# KiCad board eeg_hardware_v1.kicad_pcb (continued)
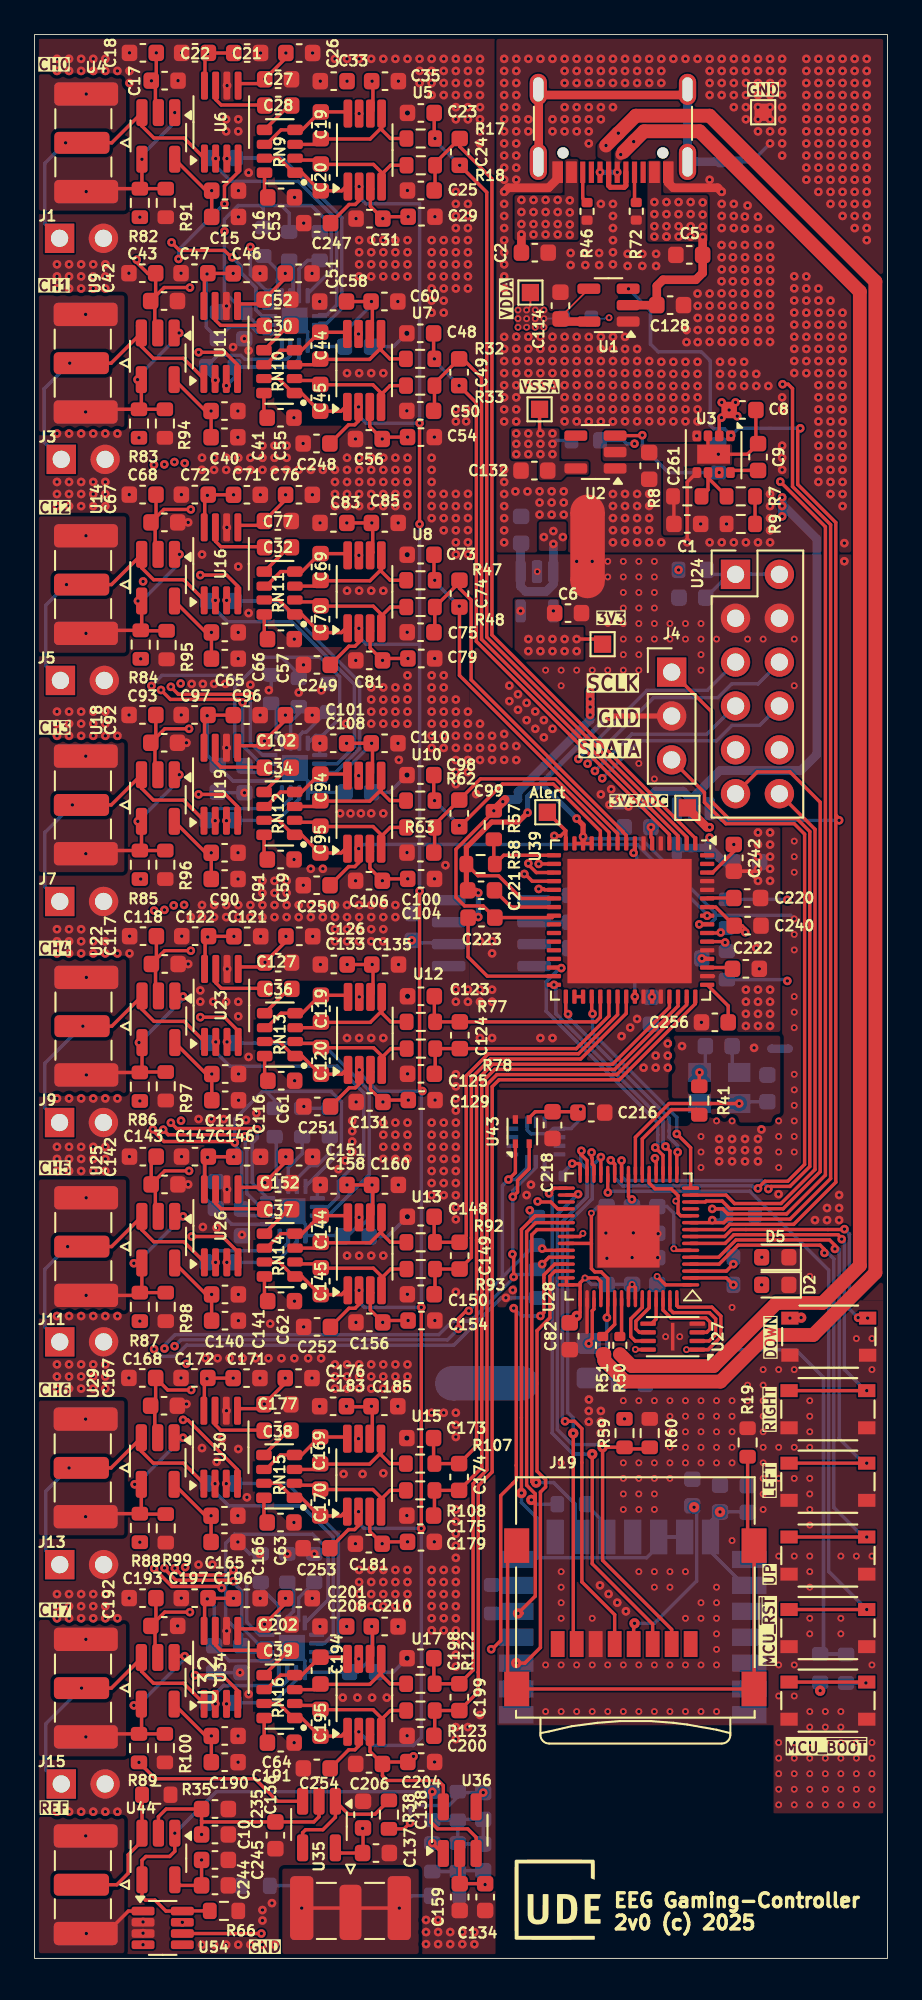
[diagram p0: board, top side]
## Placement (name value [footprint] x y rotation side) (continued)
U32  LTC2054HV  [SOT-23-5_HandSoldering]  7.14 16.08 270 top
U34  AD8422ARMZ  [MSOP-8_3x3mm_P0.65mm]  10.8 16.85 90 top
U35  LTC2054HV  [SOT-23-5_HandSoldering]  16.47 7.75 270 top
U36  LTC2054HV  [SOT-23-5_HandSoldering]  24.62 7.43 90 top
U37  BMI270  [XDCR_BMI270]  29.04 47.3 0 bottom
U38  AD5142A-100k  [LFCSP-16-1EP_3x3mm_P0.5mm_EP1.5x1.5mm]  15.07 94.84 180 bottom
U39  AD7779ACPZ  [LFCSP-64-1EP_9x9mm_P0.5mm_EP5.21x5.21mm_ThermalVias]  34.52 60.12 270 top
U40  AD5142A-100k  [LFCSP-16-1EP_3x3mm_P0.5mm_EP1.5x1.5mm]  14.9 17.99 180 bottom
U41  AD5142A-100k  [LFCSP-16-1EP_3x3mm_P0.5mm_EP1.5x1.5mm]  14.94 43.26 180 bottom
U42  AD5142A-100k  [LFCSP-16-1EP_3x3mm_P0.5mm_EP1.5x1.5mm]  15.08 68.93 180 bottom
U43  SHT41  [Sensirion_DFN-4_1.5x1.5mm_P0.8mm_SHT4x_NoCentralPad]  28.25 47.88 90 top
U44  OPA145_SOT  [SOT-23-5_HandSoldering]  7.17 5.9 270 top
U45  ADR4525  [SOIC-8_3.9x4.9mm_P1.27mm]  26.46 59.37 0 bottom
U54  TS12A12511  [SOT-23-8]  7.42 1.77 0 top
Y1  KX7_QRZ  [KX-7]  39.71 50.45 180 bottom

## Library data of the parts
C1-C12 C14-C28 C30-C32 C34-C53 C55-C57 C59-C77 C81 C85 C89-C102 C106 C110 C111 C114-C128 C131 C132 C134-C153 C155 C156 C159 C160 C165-C177 C181 C185 C190-C202 C206 C210 C215 C216 C218 C220-C254 C256 C261 = -: Description: Unpolarized capacitor
C29 C33 C54 C58 C79 C83 C104 C108 C129 C133 C154 C158 C179 C183 C204 C208 = -: Description: Unpolarized capacitor; Sim.Device: C; Sim.Pins: 1=+ 2=-
C82 C86 = -: Description: Unpolarized capacitor; ecnumber: GPC0805106-16
C84 C87 C88 C103 C105 C107 = -: Description: Unpolarized capacitor; ecnumber: GPC0402104
D2 D5 = -: Description: Light emitting diode; ki_fp_filters: LED* LED_SMD:* LED_THT:*
J4 = -: Datasheet: https://www.raspberrypi.com/documentation/microcontrollers/debug-probe.html; Description: Raspberry Pi Debug Probe SWD Connector; ki_fp_filters: JST_SH_BM03B-SRSS-TB_1x03-1MP_P1.00mm_Vertical PinHeader_1x03_P2.54mm_Vertical
J6 = -: Datasheet: https://www.usb.org/sites/default/files/documents/usb_type-c.zip; Description: USB Full-Featured Type-C Receptacle connector; ki_fp_filters: USB*C*Receptacle*
J19 = -: Datasheet: http://katalog.we-online.de/em/datasheet/693072010801.pdf; Description: Micro SD Card Socket; ki_fp_filters: microSD*
L1 = -: Datasheet: https://www.mouser.de/ProductDetail/Wurth-Elektronik/74437336068?qs=sGAEpiMZZMukHu%252BjC5l7YZFx5PKdGpFON7hqw0dDD24%3D; Description: Inductor; ki_fp_filters: L_WE*
NT1-NT3 = -: Description: Net tie, 2 pins; ki_fp_filters: Net*Tie*
R1-R16 R19 R21-R31 R34 R35 R38 R41-R43 R53-R61 R65-R67 R69 R71 R74 R80 R82-R89 R91 R94-R100 = -: Description: Resistor
R17 R18 R32 R33 R47 R48 R62 R63 R77 R78 R92 R93 R107 R108 R122 R123 = -: Description: Resistor; Sim.Device: R; Sim.Pins: 1=+ 2=-
R36 R37 R46 R49 R52 R72 = -: Description: Resistor; ki_fp_filters: R_*
R39 = -: Description: Resistor; ecnumber: GPR040222K; ki_fp_filters: R_*
R40 = -: Description: Resistor; ecnumber: GPR040210K; ki_fp_filters: R_*
R50 R51 = -: Description: Resistor; ecnumber: GPR0402100R; ki_fp_filters: R_*
RN9-RN16 = -: Datasheet: https://www.mouser.de/datasheet/2/447/PYu_YC_TC_group_51_RoHS_L_9-3003033.pdf; Description: 4 resistor network, isolated, YC164; Sim.Device: R; Sim.Pins: 1=+ 2=-; Sim.Params: r=22k
S2 = -: Datasheet: https://configured-product-images.s3.amazonaws.com/2D/specs/TL3365AF180QG.pdf; Description: 612-TL3365AF180QG; ecnumber: TL3365AF180QG
S3-S6 S8 = -: Datasheet: https://configured-product-images.s3.amazonaws.com/2D/specs/TL3365AF180QG.pdf; Description: 612-TL3365AF180QG
TP1-TP5 TP8 = -: Description: test point; ki_fp_filters: Pin* Test*
U1 U31 = -: Datasheet: https://www.analog.com/media/en/technical-documentation/data-sheets/adp7142.pdf; Description: 40 V, 200 mA, Low Noise, CMOS LDO Linear Regulator
U2 = -: Datasheet: https://www.analog.com/media/en/technical-documentation/data-sheets/adp7182.pdf; Description: –28 V, −200 mA, Low Noise, Linear Regulator
U3 = -: Datasheet: http://www.ti.com/lit/ds/symlink/tps82150.pdf; Description: 17V Input 1A Step-Down Converter MicroSiP Module with Integrated Inductor, μSiL-8; ki_fp_filters: Texas*MicroSiP*1EP*2.8x3mm*P0.65mm*
U4 U9 U14 U18 U22 U25 U29 U32 = -: Datasheet: https://www.analog.com/media/en/technical-documentation/data-sheets/20545fc.pdf; Description: Single/Dual Micropower Zero-Drift Operational Amplifiers; Sim.Library: /Users/nickskill/Library/CloudStorage/OneDrive-Persönlich/Uni/Master/WS24_25/EEG_Praxisprojekt_WS24_25/eeg_controller_hw/0_Hardware/PSpice_Modelle/OPA145/OPAx145.LIB; Sim.Name: OPAx145; Sim.Device: SUBCKT; Sim.Pins: 1=OUT 2=VEE 3=IN+ 4=IN- 5=VCC
U5 U7 U8 U10 U12 U13 U15 U17 = -: Datasheet: https://www.ti.com/lit/ds/symlink/opa1637.pdf?ts=1730469635189&ref_url=https%253A%252F%252Fwww.ti.com%252Fproduct%252Fde-de%252FOPA1637; Description: OPA1637 High-Fidelity, Low-Noise, Fully-Differential, Burr-Brown™ Audio Operational Amplifier; ki_fp_filters: VSSOP*3x3mm*P0.65mm*
U6 U11 U16 U19 U23 U26 U30 U34 = -: Datasheet: https://www.analog.com/media/en/technical-documentation/data-sheets/AD8422.pdf; Description: Single High Performance, Low Power, Rail-to-Rail Precision Instrumentation Amplifier, SOIC-8/MSOP-8; ki_fp_filters: SOIC*3.9x4.9mm*P1.27mm* MSOP*3x3mm*P0.65mm*
U20 = -: Datasheet: https://www.analog.com/media/en/technical-documentation/data-sheets/ADP7142.pdf; Description: 200mA, Low Noise, CMOS Low Dropout Regulator, Positive, 3.3V Fixed Output, TSOT-23-5; ki_fp_filters: TSOT?23*
U21 = -: Datasheet: https://pip-assets.raspberrypi.com/categories/1216-raspberry-pi-radio-module-2/documents/RP-008943-DS-4-Radio%20Module%202%20Datasheet.pdf?disposition=inline; Description: Raspberry Pi Radio Module 2; ki_fp_filters: Connector*:*_1x??_*
U24 = -: ki_fp_filters: Connector_PinHeader_2.54mm:PinHeader_2x06_P2.54mm_*
U27 = -: Datasheet: https://www.mouser.de/ProductDetail/Winbond/W25Q16JVUXIQ-TR?qs=qSfuJ%252Bfl%2Fd7SDdIHLGOd1g%3D%3D&utm_id=1435090772&gad_source=1&gclid=Cj0KCQiAoae5BhCNARIsADVLzZd_6ywhw0tNTQRPe90fxfFAFIB3NCiEdnhi8oMc0UCnFr9oQ1JQn6EaAgrQEALw_wcB; ki_fp_filters: custom_library:USON-8-1EP_3x2mm_P0.5mm_EP0.2x1.6mm custom_library:WSON-8_EP_8x6_Pitch1.27mm
U28 = -: Datasheet: https://datasheets.raspberrypi.com/rp2350/rp2350-product-brief.pdf; Description: Microcontroller RP235xA (0= without flash, 4= with internal flash) of RPi Pico 2
U35 U44 = -: Datasheet: https://www.ti.com/lit/ds/symlink/opa2145.pdf?ts=1726910918744&ref_url=https%253A%252F%252Fwww.ti.com%252Fproduct%252FOPA2145; Description: OPAx145 High-Precision, Low-Noise, Rail-to-Rail Output, 5.5-MHz JFET Operational Amplifiers
U36 = -: Datasheet: https://www.analog.com/media/en/technical-documentation/data-sheets/20545fc.pdf; Description: Single/Dual Micropower Zero-Drift Operational Amplifiers
U37 = -: Datasheet: https://www.bosch-sensortec.com/media/boschsensortec/downloads/datasheets/bst-bmi270-ds000.pdf; Description: 6-axis, smart, low power Inertial Measurement Unit for high-performance applications; Package: LGA-14 Bosch Sensortec
U38 U40-U42 = -: Datasheet: https://www.analog.com/media/en/technical-documentation/data-sheets/ad5122a_5142a.pdf; Description: Dual Channel, 128-/256-Position, I2C, Nonvolatile Digital Potentiomete
U39 = -: Datasheet: https://www.analog.com/media/en/technical-documentation/data-sheets/AD7779.pdf; Description: 8-Channel, 24-Bit, Simultaneous Sampling ADC; ki_fp_filters: CP_64_15_ADI CP_64_15_ADI-M CP_64_15_ADI-L
U43 = -: Datasheet: https://sensirion.com/media/documents/33FD6951/624C4357/Datasheet_SHT4x.pdf; Description: Digital Humidity and Temperature Sensor, ±1%RH, ±0.1°C, I2C, 1.08-3.6V, 16bit, DFN-4; ki_fp_filters: Sensirion?DFN*1.5x1.5mm*P0.8mm*SHT4x*
U45 = -: Datasheet: https://www.analog.com/media/en/technical-documentation/data-sheets/ADR4520_4525_4530_4533_4540_4550.pdf; Description: 2.5V, Ultralow Noise, High Accuracy Voltage Reference, SOIC-8; ki_fp_filters: SOIC*3.9x4.9mm*P1.27mm*
U54 = -: Datasheet: https://www.ti.com/lit/ds/symlink/ts12a12511.pdf?ts=1732717344520&ref_url=https%253A%252F%252Fwww.ti.com%252Fproduct%252FTS12A12511; Description: 5-Ω Single-Channel SPDT Analog Switch With Negative Signaling Capability; ki_fp_filters: LFCSP*1EP*4x4mm*P0.65mm*
Y1 = -: Datasheet: https://www.mouser.pl/datasheet/2/3/ABM8G-1608872.pdf; MPN: ABM8G-25.000MHZ-18-D2Y-T3; Manufacturer: Abracon; Author: Antmicro; License: Apache-2.0; Val: 16.000MHz; ecnumber: KX-7T SMD CRYSTAL 12,0 MHZ

## Footprints (pads in the part's own frame, mm; a bottom-side part is the same pattern mirrored in y, then rotated)
C_0603_1608Metric
  rrect 0.9x0.95 smd: 1(-0.775,0) 2(0.775,0)
KX-7
  rect 1.3x1.1 smd: 1(-1.1,-0.95) 2(1.2,-0.95) 3(1.2,0.85) 4(-1.1,0.85)
LED_0603_1608Metric
  rrect 0.875x0.95 smd: 1(-0.787,0) 2(0.787,0)
LFCSP-16-1EP_3x3mm_P0.5mm_EP1.5x1.5mm
  rrect 0.6x0.6 smd: (-0.375,-0.375) (-0.375,0.375) (0.375,-0.375) (0.375,0.375)
  rrect 0.875x0.25 smd: 1(-1.438,0.75) 2(-1.438,0.25) 3(-1.438,-0.25) 4(-1.438,-0.75) 9(1.438,-0.75) 10(1.438,-0.25) 11(1.438,0.25) 12(1.438,0.75)
  rrect 0.25x0.875 smd: 5(-0.75,-1.438) 6(-0.25,-1.438) 7(0.25,-1.438) 8(0.75,-1.438) 13(0.75,1.438) 14(0.25,1.438) 15(-0.25,1.438) 16(-0.75,1.438)
  rect 1.5x1.5 smd: 17(0,0)
LFCSP-64-1EP_9x9mm_P0.5mm_EP5.21x5.21mm_ThermalVias
  rrect 0.825x0.25 smd: 1(-4.438,3.75) 2(-4.438,3.25) 3(-4.438,2.75) 4(-4.438,2.25) 5(-4.438,1.75) 6(-4.438,1.25) 7(-4.438,0.75) 8(-4.438,0.25) 9(-4.438,-0.25) 10(-4.438,-0.75) 11(-4.438,-1.25) 12(-4.438,-1.75) 13(-4.438,-2.25) 14(-4.438,-2.75) 15(-4.438,-3.25) 16(-4.438,-3.75) 33(4.438,-3.75) 34(4.438,-3.25) 35(4.438,-2.75) 36(4.438,-2.25) 37(4.438,-1.75) 38(4.438,-1.25) 39(4.438,-0.75) 40(4.438,-0.25) 41(4.438,0.25) 42(4.438,0.75) 43(4.438,1.25) 44(4.438,1.75) 45(4.438,2.25) 46(4.438,2.75) 47(4.438,3.25) 48(4.438,3.75)
  rrect 0.25x0.825 smd: 17(-3.75,-4.438) 18(-3.25,-4.438) 19(-2.75,-4.438) 20(-2.25,-4.438) 21(-1.75,-4.438) 22(-1.25,-4.438) 23(-0.75,-4.438) 24(-0.25,-4.438) 25(0.25,-4.438) 26(0.75,-4.438) 27(1.25,-4.438) 28(1.75,-4.438) 29(2.25,-4.438) 30(2.75,-4.438) 31(3.25,-4.438) 32(3.75,-4.438) 49(3.75,4.438) 50(3.25,4.438) 51(2.75,4.438) 52(2.25,4.438) 53(1.75,4.438) 54(1.25,4.438) 55(0.75,4.438) 56(0.25,4.438) 57(-0.25,4.438) 58(-0.75,4.438) 59(-1.25,4.438) 60(-1.75,4.438) 61(-2.25,4.438) 62(-2.75,4.438) 63(-3.25,4.438) 64(-3.75,4.438)
  rect 7.2x7.2 smd: 65(0.06,-0.06)
microSD_HC_Wuerth_693072010801
  rect 0.8x1.5 smd: 1(-3.2,1.55) 2(-2.1,1.55) 3(-1,1.55) 4(0.1,1.55) 5(1.2,1.55) 6(2.3,1.55) 7(3.4,1.55) 8(4.5,1.55)
  rect 1.45x2 smd: 9(-6.875,4.15) 9(-6.875,-4.15) 9(6.875,4.15) 9(6.875,-4.15)
MSOP-8_3x3mm_P0.65mm
  rrect 1.625x0.4 smd: 1(-2.112,0.975) 2(-2.112,0.325) 3(-2.112,-0.325) 4(-2.112,-0.975) 5(2.112,-0.975) 6(2.112,-0.325) 7(2.112,0.325) 8(2.112,0.975)
NetTie-2_SMD_Pad0.5mm
  round 0.5 smd: 1(-0.5,0) 2(0.5,0)
NetTie-2_SMD_Pad2.0mm
  round 2 smd: 1(-2,0) 2(2,0)
PinHeader_1x02_P2.54mm_Vertical
  rect 1.7x1.7 hole 1: 1(0,0)
  oval 1.7x1.7 hole 1: 2(0,-2.54)
PinHeader_1x03_P2.54mm_Vertical
  rect 1.7x1.7 hole 1: 1(0,0)
  round 1.7 hole 1: 2(0,-2.54) 3(0,-5.08)
PinHeader_2x06_P2.54mm_Vertical
  rect 1.7x1.7 hole 1: 1(0,0)
  round 1.7 hole 1: 2(2.54,0) 3(0,-2.54) 4(2.54,-2.54) 5(0,-5.08) 6(2.54,-5.08) 7(0,-7.62) 8(2.54,-7.62) 9(0,-10.16) 10(2.54,-10.16) 11(0,-12.7) 12(2.54,-12.7)
QFN-60_EP_7x7_Pitch0.4mm
  rect 0.15x0.15 smd: (-1.35,1.35) (-1.35,0.45) (-1.35,-0.45) (-1.35,-1.35) (-0.45,1.35) (-0.45,0.45) (-0.45,-0.45) (-0.45,-1.35) (0.45,1.35) (0.45,0.45) (0.45,-0.45) (0.45,-1.35) (1.35,1.35) (1.35,0.45) (1.35,-0.45) (1.35,-1.35)
  oval 1x0.2 smd: 1(-3.6,2.8) 2(-3.6,2.4) 3(-3.6,2) 4(-3.6,1.6) 5(-3.6,1.2) 6(-3.6,0.8) 7(-3.6,0.4) 8(-3.6,0) 9(-3.6,-0.4) 10(-3.6,-0.8) 11(-3.6,-1.2) 12(-3.6,-1.6) 13(-3.6,-2) 14(-3.6,-2.4) 15(-3.6,-2.8) 31(3.6,-2.8) 32(3.6,-2.4) 33(3.6,-2) 34(3.6,-1.6) 35(3.6,-1.2) 36(3.6,-0.8) 37(3.6,-0.4) 38(3.6,0) 39(3.6,0.4) 40(3.6,0.8) 41(3.6,1.2) 42(3.6,1.6) 43(3.6,2) 44(3.6,2.4) 45(3.6,2.8)
  oval 0.2x1 smd: 16(-2.8,-3.6) 17(-2.4,-3.6) 18(-2,-3.6) 19(-1.6,-3.6) 20(-1.2,-3.6) 21(-0.8,-3.6) 22(-0.4,-3.6) 23(0,-3.6) 24(0.4,-3.6) 25(0.8,-3.6) 26(1.2,-3.6) 27(1.6,-3.6) 28(2,-3.6) 29(2.4,-3.6) 30(2.8,-3.6) 46(2.8,3.6) 47(2.4,3.6) 48(2,3.6) 49(1.6,3.6) 50(1.2,3.6) 51(0.8,3.6) 52(0.4,3.6) 53(0,3.6) 54(-0.4,3.6) 55(-0.8,3.6) 56(-1.2,3.6) 57(-1.6,3.6) 58(-2,3.6) 59(-2.4,3.6) 60(-2.8,3.6)
  rect 3.6x3.6 smd: 61(0,0)
R_0402_1005Metric
  rrect 0.54x0.64 smd: 1(-0.51,0) 2(0.51,0)
R_0603_1608Metric
  rrect 0.8x0.95 smd: 1(-0.825,0) 2(0.825,0)
R_0805_2012Metric_Pad1.20x1.40mm_HandSolder
  rrect 1.2x1.4 smd: 1(-1,0) 2(1,0)
RES_YC164_CAXE80P320X160X70
  rrect 0.9x0.61 smd: 1(-0.885,1.24) 4(-0.885,-1.24) 5(0.885,-1.24) 8(0.885,1.24)
  rrect 0.9x0.53 smd: 2(-0.885,0.4) 3(-0.885,-0.4) 6(0.885,-0.4) 7(0.885,0.4)
RPi-Radio-Module
  rect 2x1 smd: 1(-6.75,2.55) 2(-6.75,1.05) 3(-6.75,-0.45) 4(-6.75,-1.95) 5(-6.75,-3.45) 6(-6.75,-4.95) 7(-6.75,-6.45) 15(6.75,-6.45) 16(6.75,-4.95) 17(6.75,-3.45) 18(6.75,-1.95) 19(6.75,-0.45) 20(6.75,1.05) 21(6.75,2.55)
  rect 1x2 smd: 8(-4.5,-7.75) 9(-3,-7.75) 10(-1.5,-7.75) 11(0,-7.75) 12(1.5,-7.75) 13(3,-7.75) 14(4.5,-7.75)
Sensirion_DFN-4_1.5x1.5mm_P0.8mm_SHT4x_NoCentralPad
  rect 0.5x0.3 smd: 1(-0.7,0.4) 2(-0.7,-0.4) 3(0.7,-0.4) 4(0.7,0.4)
SMA_Samtec_SMA-J-P-H-ST-EM1_EdgeMount
  rrect 3.2x1.27 smd: 1(0,0)
  rrect 3.7x1.35 smd: 2(-0.25,2.825) 2(-0.25,-2.825)
  rrect 3.7x1.35 smd far side: 2(-0.25,2.825) 2(-0.25,-2.825)
SOIC-8_3.9x4.9mm_P1.27mm
  rrect 1.95x0.6 smd: 1(-2.475,1.905) 2(-2.475,0.635) 3(-2.475,-0.635) 4(-2.475,-1.905) 5(2.475,-1.905) 6(2.475,-0.635) 7(2.475,0.635) 8(2.475,1.905)
SOT-23-5_HandSoldering
  rrect 1.56x0.65 smd: 1(-1.35,0.95) 2(-1.35,0) 3(-1.35,-0.95) 4(1.35,-0.95) 5(1.35,0.95)
SOT-23-8
  rrect 1.325x0.5 smd: 1(-1.137,0.975) 2(-1.137,0.325) 3(-1.137,-0.325) 4(-1.137,-0.975) 5(1.137,-0.975) 6(1.137,-0.325) 7(1.137,0.325) 8(1.137,0.975)
TACTILE-SWITCH
  rect 1x0.75 smd: 1(-2.25,-1.075) 2(2.25,-1.075) 3(-2.25,1.075) 4(2.25,1.075)
TestPoint_Pad_1.0x1.0mm
  rect 1x1 smd: 1(0,0)
Texas_SIL0008D_MicroSiP-8-1EP_2.8x3mm_P0.65mm_EP1.1x1.9mm
  rrect 0.89x0.51 smd: (0,0.63) (0,0) (0,-0.63)
  rrect 0.625x0.5 smd: 1(-1.062,0.975) 2(-1.062,0.325) 3(-1.062,-0.325) 4(-1.062,-0.975) 5(1.062,-0.975) 6(1.062,-0.325) 7(1.062,0.325) 8(1.062,0.975)
  rect 1.1x1.9 smd: 9(0,0)
TSOT-23-5
  rrect 1.325x0.6 smd: 1(-1.137,0.95) 2(-1.137,0) 3(-1.137,-0.95) 4(1.137,-0.95) 5(1.137,0.95)
USB_C_Receptacle_16P
  round 0.65 hole 0.65 unplated: (-2.89,2.605) (2.89,2.605)
  rect 0.6x1.24 smd: A1(-3.2,3.725) A4(-2.4,3.725) A9(2.4,3.725) A12(3.2,3.725) B1(3.2,3.725) B4(2.4,3.725) B9(-2.4,3.725) B12(-3.2,3.725)
  rect 0.3x1.24 smd: A5(-1.25,3.725) A6(-0.25,3.725) A7(0.25,3.725) A8(1.25,3.725) B5(1.75,3.725) B6(0.75,3.725) B7(-0.75,3.725) B8(-1.75,3.725)
  oval 1x2.1 hole 0.6x1.7: S1(-4.32,3.125) S1(4.32,3.125)
  oval 1x1.8 hole 0.6x1.4: S1(-4.32,-1.075) S1(4.32,-1.075)
USON-8-1EP_3x2mm_P0.5mm_EP0.2x1.6mm
  rrect 0.16x1.29 smd: (0,0)
  rrect 0.9x0.25 smd: 1(-1.425,0.75) 2(-1.425,0.25) 3(-1.425,-0.25) 4(-1.425,-0.75) 5(1.425,-0.75) 6(1.425,-0.25) 7(1.425,0.25) 8(1.425,0.75)
  rect 0.2x1.6 smd: 9(0,0)
VSSOP-8_3x3mm_P0.65mm
  rrect 1.625x0.5 smd: 1(-2.112,0.975) 2(-2.112,0.325) 3(-2.112,-0.325) 4(-2.112,-0.975) 5(2.112,-0.975) 6(2.112,-0.325) 7(2.112,0.325) 8(2.112,0.975)
XDCR_BMI270
  rect 0.675x0.25 smd: 1(-1.363,0.75) 2(-1.363,0.25) 3(-1.363,-0.25) 4(-1.363,-0.75) 8(1.363,-0.75) 9(1.363,-0.25) 10(1.363,0.25) 11(1.363,0.75)
  rect 0.25x0.675 smd: 5(-0.5,-1.113) 6(0,-1.113) 7(0.5,-1.113) 12(0.5,1.113) 13(0,1.113) 14(-0.5,1.113)

## Nets
+1V1: C86.2 C87.2 C103.2 C107.2 L1.1 U28.6 U28.23 U28.39 U28.50
+3.3VADC: C4.1 C238.2 C239.1 C240.2 C241.1 C242.2 TP5.1 U31.4 U31.5 U39.6 U39.43 U39.52 U39.58 U39.62
+3V3: C6.1 C11.1 C12.1 C82.2 C84.2 C88.2 C105.2 C216.1 C218.1 C223.2 C225.1 C227.1 C231.1 C234.1 C246.1 J19.4 R10.1 R16.1 R21.1 R25.2 R27.1 R29.1 R31.1 R40.2 R52.1 R57.1 R59.1 R71.2 R74.2 TP3.1 U20.4 U20.5 U21.14 U21.16 U27.8 U28.1 U28.11 U28.20 U28.30 U28.38 U28.44 U28.45 U28.46 U28.49 U28.53 U28.54 U37.5 U37.8 U38.10 U38.16 U39.24 U40.10 U40.16 U41.10 U41.16 U42.10 U42.16 U43.3
/MCU/GND_QRZ: C111.2 C155.2 NT3.2 Y1.2 Y1.4
/Power/VSS_UNBUF: C1.2 C8.2 C9.2 C261.1 R8.2 R69.1 U2.2 U3.3 U3.9
GND: C1.1 C2.2 C3.2 C5.2 C114.2 C128.2 C132.2 C261.2 J6.A1 J6.A12 J6.B1 J6.B12 NT1.2 R9.2 R46.2 R49.2 R72.2 TP4.1 U1.1 U2.1 U3.4 U3.5
GNDA: C4.2 C7.2 C10.2 C14.1 C15.2 C16.2 C17.2 C18.2 C21.2 C22.2 C23.1 C25.2 C26.2 C27.2 C29.2 C31.2 C33.2 C35.2 C40.2 C41.2 C42.2 C43.2 C46.2 C47.2 C48.1 C50.2 C51.2 C52.2 C53.2 C54.2 C55.2 C56.2 C57.2 C58.2 C59.2 C60.2 C61.2 C62.2 C63.2 C64.2 C65.2 C66.2 C67.2 C68.2 C71.2 C72.2 C73.1 C75.2 C76.2 C77.2 C79.2 C81.2 C83.2 C85.2 C90.2 C91.2 C92.2 C93.2 C96.2 C97.2 C98.1 C100.2 C101.2 C102.2 C104.2 C106.2 C108.2 C110.2 C115.2 C116.2 C117.2 C118.2 C121.2 C122.2 C123.1 C125.2 C126.2 C127.2 C129.2 C131.2 C133.2 C134.2 C135.2 C136.2 C137.2 C138.2 C140.2 C141.2 C142.2 C143.2 C146.2 C147.2 C148.1 C150.2 C151.2 C152.2 C154.2 C156.2 C158.2 C159.2 C160.2 C165.2 C166.2 C167.2 C168.2 C171.2 C172.2 C173.1 C175.2 C176.2 C177.2 C179.2 C181.2 C183.2 C185.2 C190.2 C191.2 C192.2 C193.2 C196.2 C197.2 C198.1 C200.2 C201.2 C202.2 C204.2 C206.2 C208.2 C210.2 C215.1 C220.2 C222.2 C224.2 C225.2 C226.2 C227.2 C228.1 C229.1 C230.2 C231.2 C232.1 C233.2 C234.2 C235.2 C236.2 C237.2 C238.1 C239.2 C240.1 C241.2 C242.1 C243.1 C244.2 C245.2 C247.2 C248.2 C249.2 C250.2 C251.2 C252.2 C253.2 C254.2 C256.1 J2.2 J8.2 J10.2 J12.2 J14.2 J16.2 J18.2 J20.2 NT2.2 R11.1 R22.1 R23.1 R24.1 R26.1 R28.1 R30.1 R34.1 R35.1 R66.1 R80.1 R91.2 R94.2 R95.2 R96.2 R97.2 R98.2 R99.2 R100.2 U6.6 U11.6 U16.6 U19.6 U23.6 U26.6 U30.6 U31.1 U34.6 U38.1 U39.5 U39.7 U39.42 U39.44 U39.50 U39.53 U39.60 U39.61 U39.65 U40.1 U41.1 U42.1 U45.4 U54.2 U54.3
GNDD: C6.2 C11.2 C12.2 C82.1 C84.1 C86.1 C87.1 C88.1 C89.2 C103.1 C105.1 C107.1 C216.2 C218.2 C221.2 C223.1 C246.2 D2.1 D5.1 J4.2 J19.6 NT1.1 NT2.1 NT3.1 R19.2 R58.2 R60.2 R67.1 S2.1 S2.2 S3.1 S3.2 S4.3 S4.4 S5.3 S5.4 S6.3 S6.4 S8.1 S8.2 U20.2 U21.1 U21.4 U21.7 U21.11 U21.15 U21.21 U24.3 U24.4 U27.4 U27.9 U28.47 U28.61 U37.1 U37.6 U37.7 U39.13 U39.14 U39.15 U39.22 U39.31 U39.56 U43.4
VDDA: C15.1 C16.1 C21.1 C22.1 C29.1 C31.1 C40.1 C41.1 C46.1 C47.1 C54.1 C56.1 C65.1 C66.1 C71.1 C72.1 C79.1 C81.1 C90.1 C91.1 C96.1 C97.1 C104.1 C106.1 C114.1 C115.1 C116.1 C121.1 C122.1 C129.1 C131.1 C137.1 C138.1 C140.1 C141.1 C146.1 C147.1 C154.1 C156.1 C165.1 C166.1 C171.1 C172.1 C179.1 C181.1 C190.1 C191.1 C196.1 C197.1 C204.1 C206.1 C224.1 C226.1 C230.1 C233.1 C236.1 C244.1 C245.1 R5.1 TP8.1 U1.4 U1.5 U4.5 U5.3 U5.7 U6.8 U7.3 U7.7 U8.3 U8.7 U9.5 U10.3 U10.7 U11.8 U12.3 U12.7 U13.3 U13.7 U14.5 U15.3 U15.7 U16.8 U17.3 U17.7 U18.5 U19.8 U22.5 U23.8 U25.5 U26.8 U29.5 U30.8 U32.5 U34.8 U35.5 U36.5 U38.9 U40.9 U41.9 U42.9 U44.5 U45.2 U54.4
VSSA: C10.1 C17.1 C18.1 C26.1 C27.1 C33.1 C35.1 C42.1 C43.1 C51.1 C52.1 C58.1 C60.1 C67.1 C68.1 C76.1 C77.1 C83.1 C85.1 C92.1 C93.1 C101.1 C102.1 C108.1 C110.1 C117.1 C118.1 C126.1 C127.1 C132.1 C133.1 C134.1 C135.1 C136.1 C142.1 C143.1 C151.1 C152.1 C158.1 C159.1 C160.1 C167.1 C168.1 C176.1 C177.1 C183.1 C185.1 C192.1 C193.1 C201.1 C202.1 C208.1 C210.1 C215.2 C228.2 C229.2 C232.2 C235.1 R6.1 TP2.1 U2.5 U4.2 U5.6 U6.5 U7.6 U8.6 U9.2 U10.6 U11.5 U12.6 U13.6 U14.2 U15.6 U16.5 U17.6 U18.2 U19.5 U22.2 U23.5 U25.2 U26.5 U29.2 U30.5 U32.2 U34.5 U35.2 U36.2 U38.5 U38.17 U40.5 U40.17 U41.5 U41.17 U42.5 U42.17 U44.2 U54.7
/ADC/ELEC_0N: C24.2 C25.1 R18.2 U39.1
/ADC/ELEC_0P: C23.2 C24.1 R17.2 U39.2
/ADC/ELEC_1N: C49.2 C50.1 R33.2 U39.3
/ADC/ELEC_1P: C48.2 C49.1 R32.2 U39.4
/ADC/ELEC_2N: C74.2 C75.1 R48.2 U39.9
/ADC/ELEC_2P: C73.2 C74.1 R47.2 U39.10
/ADC/ELEC_3N: C99.2 C100.1 R63.2 U39.11
/ADC/ELEC_3P: C98.2 C99.1 R62.2 U39.12
/ADC/ELEC_4N: C199.2 C200.1 R123.2 U39.48
/ADC/ELEC_4P: C198.2 C199.1 R122.2 U39.47
/ADC/ELEC_5N: C174.2 C175.1 R108.2 U39.46
/ADC/ELEC_5P: C173.2 C174.1 R107.2 U39.45
/ADC/ELEC_6N: C149.2 C150.1 R93.2 U39.40
/ADC/ELEC_6P: C148.2 C149.1 R92.2 U39.39
/ADC/ELEC_7N: C124.2 C125.1 R78.2 U39.38
/ADC/ELEC_7P: C123.2 C124.1 R77.2 U39.37
/EEG Frontend CH0/ELEC_FB: J1.2 R82.2 R91.1 U4.1 U4.4
/EEG Frontend CH0/Rg_PinN: R1.1 U6.3 U38.3
/EEG Frontend CH0/Rg_PinP: R1.2 U6.2 U38.2
/EEG Frontend CH1/ELEC_FB: J3.2 R83.2 R94.1 U9.1 U9.4
/EEG Frontend CH1/Rg_PinN: R2.1 U11.3 U38.6
/EEG Frontend CH1/Rg_PinP: R2.2 U11.2 U38.7
/EEG Frontend CH2/ELEC_FB: J5.2 R84.2 R95.1 U14.1 U14.4
/EEG Frontend CH2/Rg_PinN: R3.1 U16.3 U42.3
/EEG Frontend CH2/Rg_PinP: R3.2 U16.2 U42.2
/EEG Frontend CH3/ELEC_FB: J7.2 R85.2 R96.1 U18.1 U18.4
/EEG Frontend CH3/Rg_PinN: R4.1 U19.3 U42.6
/EEG Frontend CH3/Rg_PinP: R4.2 U19.2 U42.7
/EEG Frontend CH4/ELEC_FB: J9.2 R86.2 R97.1 U22.1 U22.4
/EEG Frontend CH4/Rg_PinN: R12.1 U23.3 U41.3
/EEG Frontend CH4/Rg_PinP: R12.2 U23.2 U41.2
/EEG Frontend CH5/ELEC_FB: J11.2 R87.2 R98.1 U25.1 U25.4
/EEG Frontend CH5/Rg_PinN: R13.1 U26.3 U41.6
/EEG Frontend CH5/Rg_PinP: R13.2 U26.2 U41.7
/EEG Frontend CH6/ELEC_FB: J13.2 R88.2 R99.1 U29.1 U29.4
/EEG Frontend CH6/Rg_PinN: R14.1 U30.3 U40.3
/EEG Frontend CH6/Rg_PinP: R14.2 U30.2 U40.2
/EEG Frontend CH7/ELEC_FB: J15.2 R89.2 R100.1 U32.1 U32.4
/EEG Frontend CH7/Rg_PinN: R15.1 U34.3 U40.6
/EEG Frontend CH7/Rg_PinP: R15.2 U34.2 U40.7
/MCU/BUTTON_DWN: S5.1 S5.2 U28.8
/MCU/BUTTON_LFT: S4.1 S4.2 U28.5
/MCU/BUTTON_RGHT: S6.1 S6.2 U28.7
/MCU/BUTTON_UP: S3.3 S3.4 U28.4
/MCU/FPGA_GPIO0: U24.11 U28.13
/MCU/FPGA_GPIO1: U24.12 U28.14
/MCU/SPI_~{CS}_FPGA: U24.5 U28.34
/MCU/WL_DATA: R36.2 R37.2 U21.5 U28.36
/MCU/WL_EN: U21.12 U21.13 U28.35
/MCU/WL_SCLK: U21.3 U28.43
/MCU/WL_~{CS}: U21.9 U28.37
ADC_ALERT: TP1.1 U28.19 U39.16
ADC_CLK: U28.17 U39.32
ADC_CONV: U28.16 U39.33
ADC_VCM: C247.1 C248.1 C249.1 C250.1 C251.1 C252.1 C253.1 C254.1 U5.2 U7.2 U8.2 U10.2 U12.2 U13.2 U15.2 U17.2 U39.57
ADC_~{DRDY}: U28.18 U39.30
ADC_~{RST}: U28.15 U39.36
ELEC_DRIVE: R82.1 R83.1 R84.1 R85.1 R86.1 R87.1 R88.1 R89.1 U35.3
ELEC_REF: R56.2 R66.2 U6.4 U11.4 U16.4 U19.4 U23.4 U26.4 U30.4 U34.4 U36.3 U44.1 U44.4 U54.8
EN_PWR: U1.3 U3.1 U28.9 U31.3
EN_REF_ACTSHIELD: U28.42 U54.6
I2C_SCL: R71.1 U28.41 U37.13 U38.11 U40.11 U41.11 U42.11 U43.2
I2C_SDA: R74.1 U28.40 U37.14 U38.12 U40.12 U41.12 U42.12 U43.1
PWRA_GD_NEGATIVE: R5.2 R6.2 R67.2 U28.10
SPI_MISO: J19.7 U24.8 U28.27 U39.21
SPI_MOSI: J19.3 U24.6 U28.31 U39.20
SPI_SCLK: J19.5 U24.7 U28.29 U39.19
SPI_~{CS}_ADC: U28.28 U39.18
SPI_~{CS}_SD: J19.2 R59.2 R60.1 U28.32
USB_+: J6.A6 J6.B6 R50.2
USB_-: J6.A7 J6.B7 R51.2
USBC_VBUS: C2.1 C3.1 C5.1 C7.1 C8.1 C128.1 J6.A4 J6.A9 J6.B4 J6.B9 U1.2 U3.2 U20.1 U20.3 U31.2
Net-(C28-Pad2): C28.2 U6.7
Net-(C30-Pad2): C30.2 U11.7
Net-(C32-Pad2): C32.2 U16.7
Net-(C34-Pad2): C34.2 U19.7
Net-(C36-Pad2): C36.2 U23.7
Net-(C37-Pad2): C37.2 U26.7
Net-(C38-Pad2): C38.2 U30.7
Net-(C39-Pad2): C39.2 U34.7
Net-(C89-Pad1): C89.1 R25.1 U24.1 U24.2
Net-(C111-Pad1): C111.1 R41.1 Y1.3
Net-(C139-Pad2): C139.2 C153.1 R53.1 R55.2 R56.1
Net-(C153-Pad2): C153.2 R55.1 R61.1 R65.2
Net-(D2-A): D2.2 R42.2
Net-(D5-A): D5.2 R43.2
Net-(J1-SIG): J1.1 J2.1 U4.3 U6.1
Net-(J3-SIG): J3.1 J8.1 U9.3 U11.1
Net-(J4-SCLK): J4.1 U28.24
Net-(J4-SDATA): J4.3 U28.25
Net-(J6-CC1): J6.A5 R72.1
Net-(J6-CC2): J6.B5 R46.1
Net-(J6-SHIELD): J6.S1 R49.1
Net-(J10-SIG): J5.1 J10.1 U14.3 U16.1
Net-(J11-SIG): J11.1 J16.1 U25.3 U26.1
Net-(J12-SIG): J7.1 J12.1 U18.3 U19.1
Net-(J13-SIG): J13.1 J18.1 U29.3 U30.1
Net-(J14-SIG): J9.1 J14.1 U22.3 U23.1
Net-(J15-SIG): J15.1 J20.1 U32.3 U34.1
Net-(J17-GND): J17.2 U54.1
Net-(J17-SIG): J17.1 R35.2 U44.3
Net-(J19-SHIELD): J19.9 R19.1
Net-(J21-GND): J21.1 J21.2 R65.1 R80.2
Net-(R7-Pad1): R7.1 R9.1
Net-(R39-Pad2): R39.2 S2.3 S2.4
Net-(R61-Pad2): R61.2 U36.1
Net-(RN9A-R1.1): C20.1 RN9.1 RN9.7 U5.1
Net-(RN9A-R1.2): C53.1 RN9.8
Net-(RN9B-R2.1): C20.2 R18.1 RN9.2 U5.4
Net-(RN9C-R3.1): C19.2 R17.1 RN9.3 U5.5
Net-(RN9C-R3.2): C19.1 RN9.4 RN9.6 U5.8
Net-(RN9D-R4.2): C28.1 RN9.5
Net-(RN10A-R1.1): C45.1 RN10.1 RN10.7 U7.1
Net-(RN10A-R1.2): C55.1 RN10.8
Net-(RN10B-R2.1): C45.2 R33.1 RN10.2 U7.4
Net-(RN10C-R3.1): C44.2 R32.1 RN10.3 U7.5
Net-(RN10C-R3.2): C44.1 RN10.4 RN10.6 U7.8
Net-(RN10D-R4.2): C30.1 RN10.5
Net-(RN11A-R1.1): C70.1 RN11.1 RN11.7 U8.1
Net-(RN11A-R1.2): C57.1 RN11.8
Net-(RN11B-R2.1): C70.2 R48.1 RN11.2 U8.4
Net-(RN11C-R3.1): C69.2 R47.1 RN11.3 U8.5
Net-(RN11C-R3.2): C69.1 RN11.4 RN11.6 U8.8
Net-(RN11D-R4.2): C32.1 RN11.5
Net-(RN12A-R1.1): C95.1 RN12.1 RN12.7 U10.1
Net-(RN12A-R1.2): C59.1 RN12.8
Net-(RN12B-R2.1): C95.2 R63.1 RN12.2 U10.4
Net-(RN12C-R3.1): C94.2 R62.1 RN12.3 U10.5
Net-(RN12C-R3.2): C94.1 RN12.4 RN12.6 U10.8
Net-(RN12D-R4.2): C34.1 RN12.5
Net-(RN13A-R1.1): C120.1 RN13.1 RN13.7 U12.1
Net-(RN13A-R1.2): C61.1 RN13.8
Net-(RN13B-R2.1): C120.2 R78.1 RN13.2 U12.4
Net-(RN13C-R3.1): C119.2 R77.1 RN13.3 U12.5
Net-(RN13C-R3.2): C119.1 RN13.4 RN13.6 U12.8
Net-(RN13D-R4.2): C36.1 RN13.5
Net-(RN14A-R1.1): C145.1 RN14.1 RN14.7 U13.1
Net-(RN14A-R1.2): C62.1 RN14.8
Net-(RN14B-R2.1): C145.2 R93.1 RN14.2 U13.4
Net-(RN14C-R3.1): C144.2 R92.1 RN14.3 U13.5
Net-(RN14C-R3.2): C144.1 RN14.4 RN14.6 U13.8
Net-(RN14D-R4.2): C37.1 RN14.5
Net-(RN15A-R1.1): C170.1 RN15.1 RN15.7 U15.1
Net-(RN15A-R1.2): C63.1 RN15.8
Net-(RN15B-R2.1): C170.2 R108.1 RN15.2 U15.4
Net-(RN15C-R3.1): C169.2 R107.1 RN15.3 U15.5
Net-(RN15C-R3.2): C169.1 RN15.4 RN15.6 U15.8
Net-(RN15D-R4.2): C38.1 RN15.5
Net-(RN16A-R1.1): C195.1 RN16.1 RN16.7 U17.1
Net-(RN16A-R1.2): C64.1 RN16.8
Net-(RN16B-R2.1): C195.2 R123.1 RN16.2 U17.4
Net-(RN16C-R3.1): C194.2 R122.1 RN16.3 U17.5
Net-(RN16C-R3.2): C194.1 RN16.4 RN16.6 U17.8
Net-(RN16D-R4.2): C39.1 RN16.5
Net-(U2-EN): R69.2 U2.3 U3.7
Net-(U3-FB): R7.2 R8.1 U3.6
Net-(U3-SS/TR): C9.1 U3.8
Net-(U21-SDO): R36.1 U21.6
Net-(U21-~{IRQ}): R37.1 U21.10
Net-(U27-SCK): U27.6 U28.56
Net-(U27-SI/IO0): U27.5 U28.57
Net-(U27-SO/IO1): U27.2 U28.59
Net-(U27-~{CS}): R39.1 R40.1 U27.1 U28.60
Net-(U27-~{HOLD}/IO3): U27.7 U28.55
Net-(U27-~{WP}/IO2): U27.3 U28.58
Net-(U28-GPIO_00): R42.1 U28.2
Net-(U28-GPIO_01): R43.1 U28.3
Net-(U28-RUN): S8.3 S8.4 U28.26
Net-(U28-USB_DM): R51.1 U28.51
Net-(U28-USB_DP): R50.1 U28.52
Net-(U28-VREG_LX): L1.2 U28.48
Net-(U28-XIN): R41.2 U28.21
Net-(U28-XOUT): C155.1 U28.22 Y1.1
Net-(U35A--): R38.2 U35.1 U35.4
Net-(U36A--): C139.1 R38.1 R53.2 U36.4
Net-(U37-CSB): R52.2 U37.12
Net-(U38-ADR0): R10.2 U38.13
Net-(U38-ADR1): R21.2 U38.14
Net-(U38-INDEP): R22.2 U38.15
Net-(U39-AREG1CAP): C220.1 U39.59
Net-(U39-AREG2CAP): C222.1 U39.51
Net-(U39-CONVST_SAR): R57.2 R58.1 U39.17
Net-(U39-DREGCAP): C221.1 U39.23
Net-(U39-FORMAT0): R16.2 U39.55
Net-(U39-FORMAT1): R31.2 U39.54
Net-(U39-REF1+): C14.2 C243.2 R54.2 U39.8 U39.41
Net-(U39-REF_OUT): C256.2 U39.49
Net-(U39-~{SYNC_IN}): U39.34 U39.35
Net-(U40-ADR0): R11.2 U40.13
Net-(U40-ADR1): R23.2 U40.14
Net-(U40-INDEP): R24.2 U40.15
Net-(U41-ADR0): R29.2 U41.13
Net-(U41-ADR1): R30.2 U41.14
Net-(U41-INDEP): R34.2 U41.15
Net-(U42-ADR0): R26.2 U42.13
Net-(U42-ADR1): R27.2 U42.14
Net-(U42-INDEP): R28.2 U42.15
Net-(U45-OUT): C237.1 R54.1 U45.6

Pads without a net: J6 A8 B8; J19 1 8; U2 4; U21 2 8 17 18 19 20; U24 9 10; U28 12 33; U37 2 3 4 9 10 11; U38 4 8; U39 25 26 27 28 29 63 64; U40 4 8; U41 4 8; U42 4 8; U45 1 3 5 7 8; U54 5

## Via types
v1: diameter 0.5, hole 0.2, Top to Bottom, 1839 vias
v2: diameter 0.4, hole 0.2, Top to Bottom, 284 vias
v3: diameter 0.6, hole 0.3, Top to Bottom, 8 vias
v4: diameter 0.6, hole 0.2, Top to Bottom, 24 vias

## Routing (per net, layer and track width the routed paths; a pad name or vN(x,y) marks a point on that pad's centre or on a via; arc(x,y) is an arc through that point)
+1V1: length 24.3
  Top w0.2: 32.25,41.38 32.25,43.15 v2(32.25,43.15) ; 32.25,41.38 32.23,41.4 U28.39 ; 32.25,41.38 32.25,39.95 32.45,39.75 32.82,39.75 33.2,39.37 U28.50 33.2,37.15 v1(33.15,37.1) ; v2(37.03,41.09) 37.12,41 U28.6 ; U28.23 34.4,44.1 34.55,43.95 v1(34.6,43.95)
  Bottom w0.2: v2(37.03,41.09) 37.03,43.15 36.63,43.54 36.08,43.54 C87.2 C103.2 ; v2(32.25,43.15) 32.64,43.54 C107.2 C103.2 ; L1.1 33.48,33.6 C86.2 33.82,33.92 33.15,34.59 v1(33.15,37.1) ; C103.2 v1(34.6,43.95)
+3.3VADC: length 37.5
  Top w0.2: v1(41.16,59.42) 41.16,59.61 40.97,59.8 C240.2 39.45,60.88 U39.58 ; U39.62 39.28,62.88 40.5,64.1 v1(40.5,64.5) ; U39.52 38.93,57.9 v1(38.65,57.9) ; v1(35.7,65.5) 35.7,64.92 35.77,64.85 U39.6 ; v1(35.76,55.68) U39.43
  Top w0.5: v1(39.1,65.5) 38.93,65.5 37.83,66.6 37.8,66.6
  In2.Cu w0.5: v1(39.1,65.5) v1(35.7,65.5) 35.7,55.74 ; v1(39.1,65.5) v1(39.1,64.9) ; v1(39.1,65.5) 39.5,65.5 v1(40.5,64.5) 40.5,60.08 v1(41.16,59.42) ; 35.7,55.74 v1(35.76,55.68) ; 35.7,55.74 37.86,57.9 v1(38.65,57.9)
  Bottom w0.5: U31.4 v1(39.1,64.9) ; U31.4 39.92,63.48 C4.1 ; U31.4 U31.5
